# Altium PCB tester_board.PcbDoc (part 2 of 4)
Units mil, origin at the board's own origin, x right, y up, seen from the top; angles counter-clockwise.
Board outline 5000 x 4000 mil, 4 copper layers (Top Layer, Signal Layer 1, Signal Layer 2, Bottom Layer), stack 30.634 mil thick; 418 components, 246 nets, 1388 pads, 667 vias.
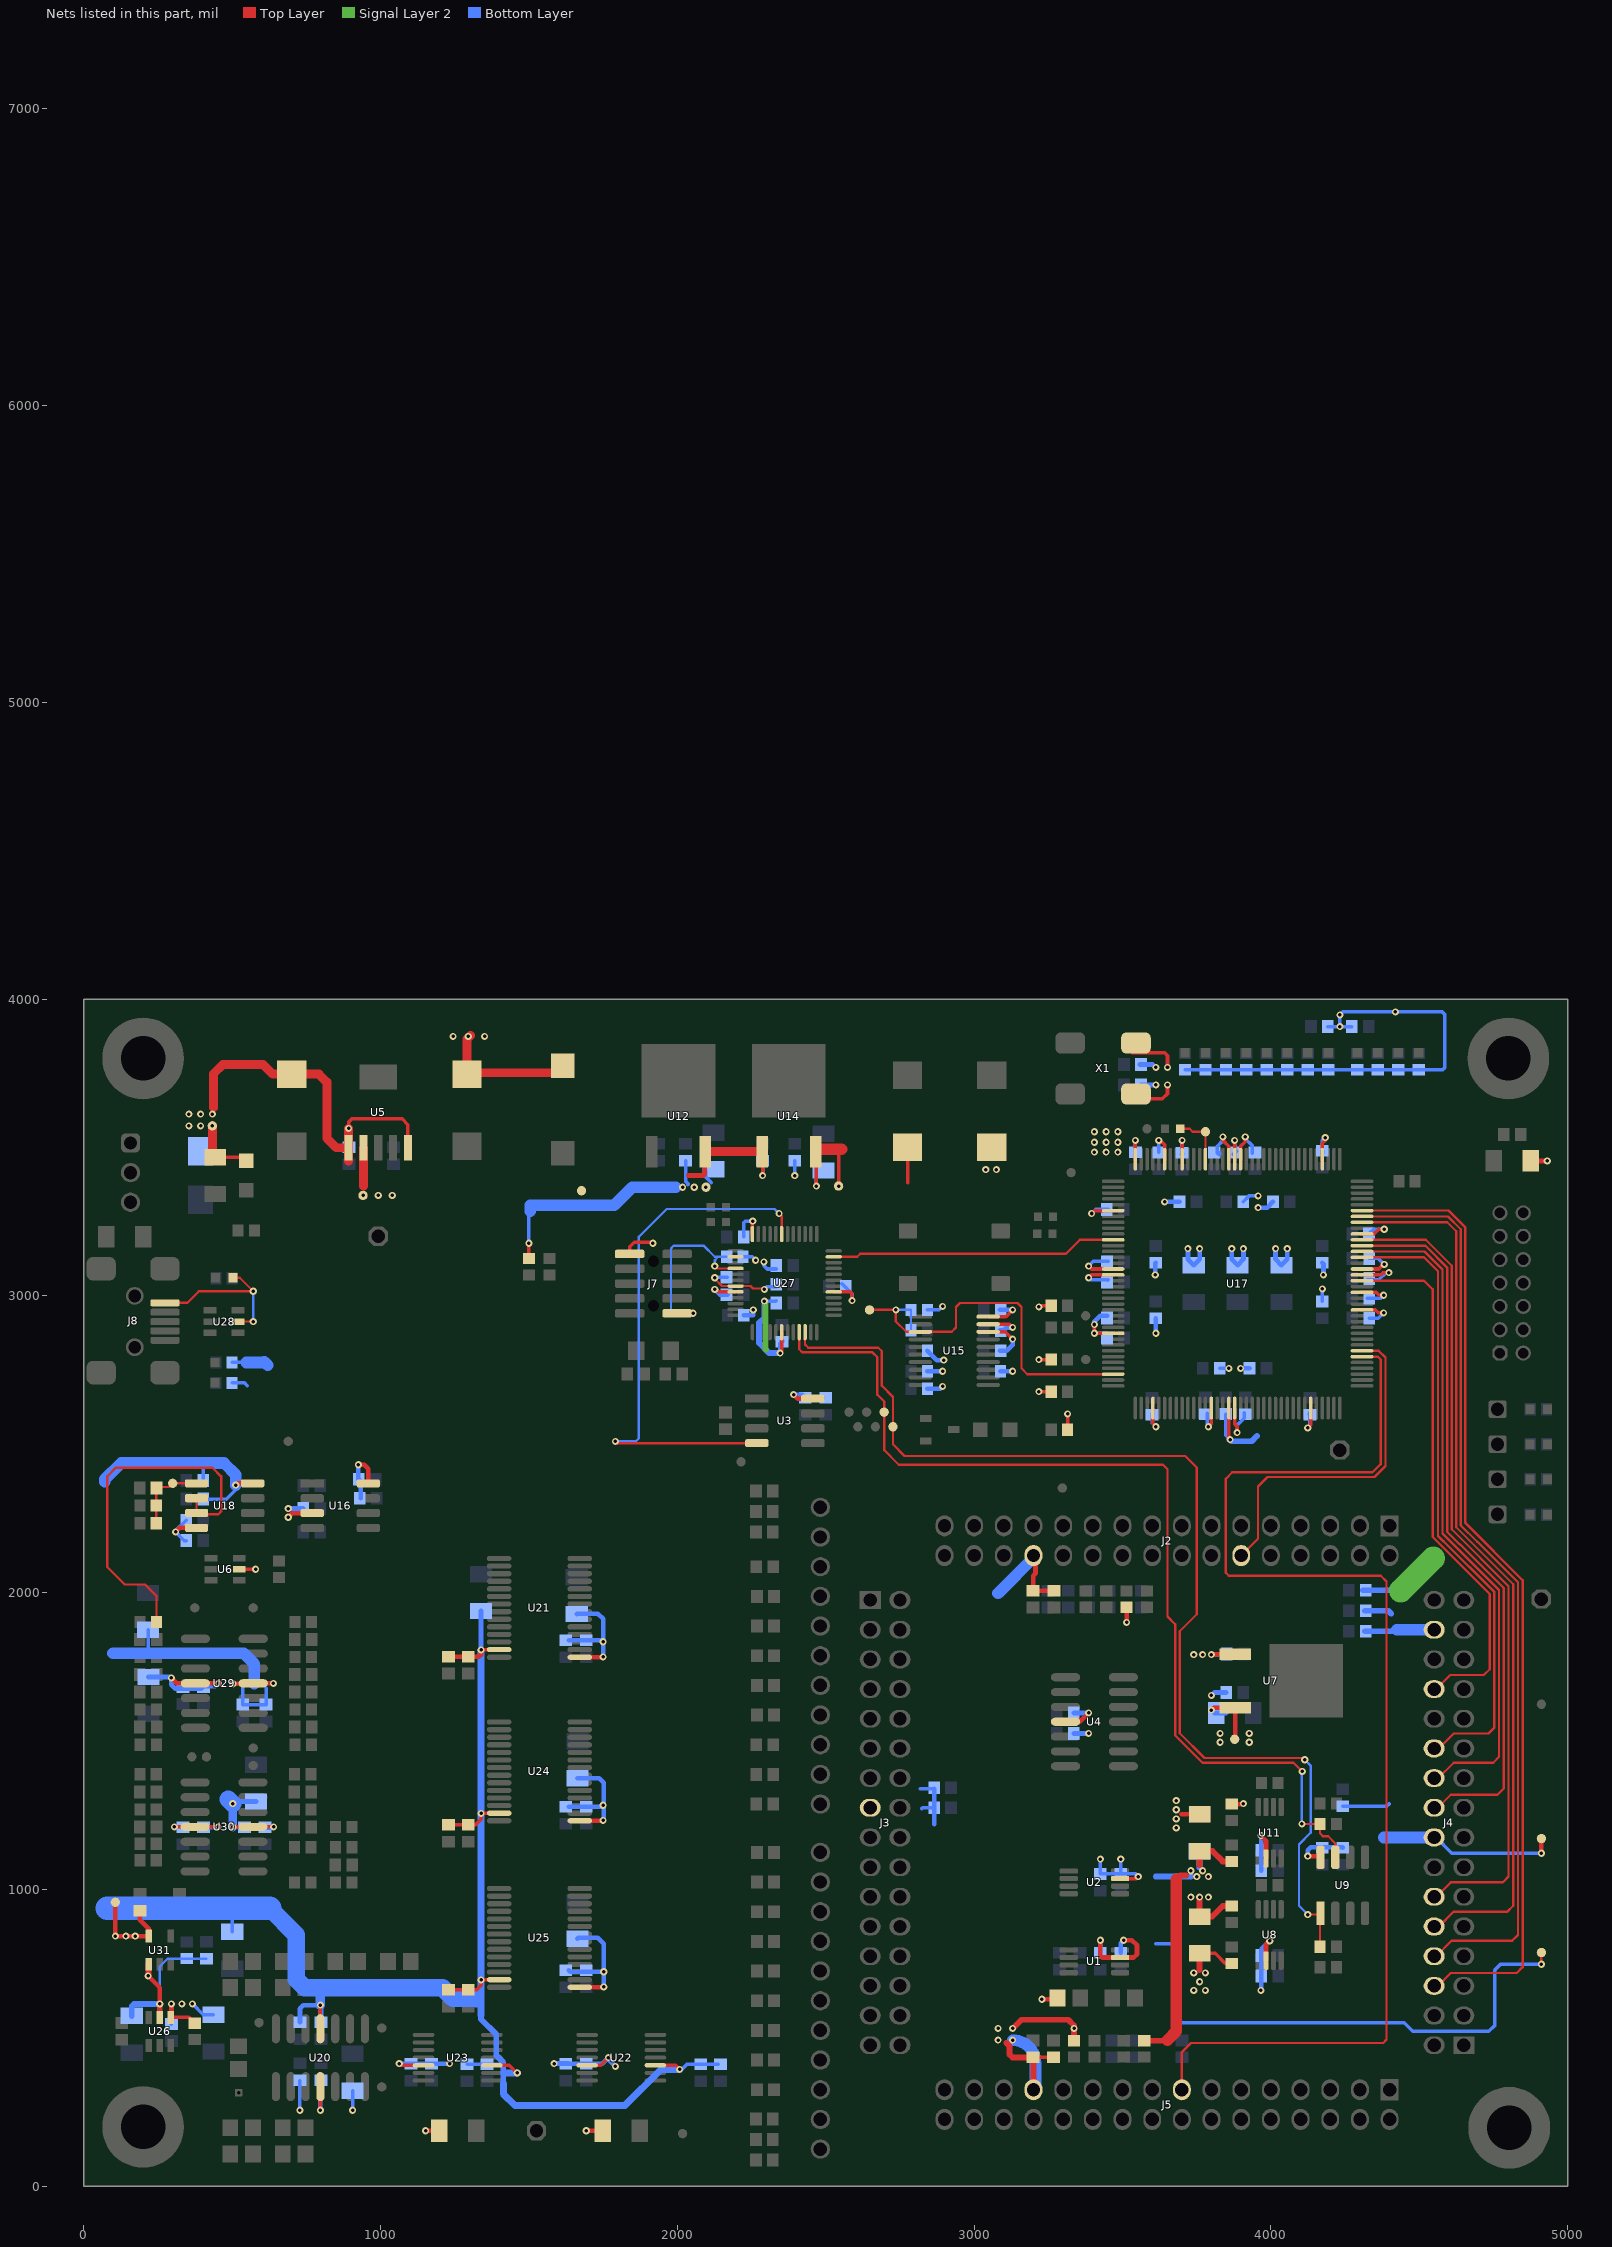
[diagram p4: the nets of this part, all layers, seen from the top]

## Part data (continued)
R8: library part RES/RC0603JR-07510KL, "RES1, SMD,  510k, 1.0%, 1/10W, 0603", Manufacturer=Yageo, Manufacturer Part Number=RC0603JR-07510KL, Operating Temperature="-55°C ~ 155°C", Package / Case="0603 (1608 Metric)", Power (Watts)="0.1W, 1/10W", Supplier Device Package=0603, Supplier Part Number 1=311-510KGRCT-ND, Temperature Coefficient=±100ppm/°C, Tolerance=±5%, Category=Resistors, ComponentLink1Description=http://www.yageo.com/documents/recent/PYu-RC_Group_51_RoHS_L_04.pdf, ComponentLink1URL=http://www.yageo.com/documents/recent/PYu-RC_Group_51_RoHS_L_04.pdf, Composition="Thick Film", Features="Moisture Resistant", Height="0.022\" (0.55mm)", Number of Terminations=2, Packaging="Cut Tape (CT)", Pricing 1="1=0.1, 10=0.011, 25=0.008, 100=0.0044, 250=0.00336, 500=0.0027, 1000=0.00198, 2500=0.00172 (USD)", Resistance (Ohms)=510k, RoHS="RoHS Compliant", Size / Dimension="0.063\" L x 0.031\" W (1.60mm x 0.80mm)", Stock 1=110895, Supplier 1=Digi-Key
R9 R10: library part R4K7_SIP10, "4611X-101-472LF", Manufacturer="Bourns Inc.", Number of Resistors=10, Operating Temperature="-55°C ~ 125°C", Package / Case=11-SIP, Power Per Element=200mW, Supplier Part Number 1=4611X-101-472LF-ND, Temperature Coefficient=±100ppm/°C, Tolerance=±2%, Applications=-, Category=Resistors, Circuit Type=Bussed, ComponentLink1Description=http://www.bourns.com/data/global/pdfs/4600x.pdf, ComponentLink1URL=http://www.bourns.com/data/global/pdfs/4600x.pdf, Height="0.200\" (5.08mm)", Manufacturer Part Number=4611X-101-472LF, Mounting Type="Through Hole", Number of Pins=11, Packaging=Bulk, Pricing 1="1=0.45, 10=0.416, 25=0.3752, 50=0.3626, 100=0.35, 250=0.325, 500=0.3, 1000=0.28125, 2500=0.2375 (USD)", Resistance (Ohms)=4.7k, RoHS="RoHS Compliant", Size / Dimension="1.098\" L x 0.098\" W (27.89mm x 2.49mm)", Stock 1=279, Supplier 1=Digi-Key, Supplier Device Package=11-SIP
R11 R14 R15 R16 R19 R25 R27 R30 R31 R90 R91 R101: library part CRCW060310K0FKEA, "RES1, SMD, 10.0k, 1.0%, 1/10W, 0603", Manufacturer="Vishay Dale", Operating Temperature="-55°C ~ 155°C", Package / Case="0603 (1608 Metric)", Power (Watts)="0.1W, 1/10W", Supplier Device Package=0603, Supplier Part Number 1=541-10.0KHCT-ND, Temperature Coefficient=±100ppm/°C, Tolerance=±1%, Category=Resistors, ComponentLink1Description=http://www.vishay.com/docs/20035/dcrcwe3.pdf, ComponentLink1URL=http://www.vishay.com/docs/20035/dcrcwe3.pdf, Composition="Thick Film", Features="Automotive AEC-Q200", Height="0.020\" (0.50mm)", Manufacturer Part Number=CRCW060310K0FKEA, Number of Terminations=2, Packaging="Cut Tape (CT)", Pricing 1="1=0.1, 10=0.03, 25=0.022, 50=0.0168, 100=0.0123, 250=0.0094, 500=0.00752, 1000=0.00554, 2500=0.00481 (USD)", Resistance (Ohms)=10k, RoHS="RoHS Compliant", Size / Dimension="0.061\" L x 0.033\" W (1.55mm x 0.85mm)", Stock 1=1592879, Supplier 1=Digi-Key
R12: library part CRCW0603390KFKEA, "RES1, SMD,  390k, 1.0%, 1/10W, 0603", Manufacturer="Vishay Dale", Operating Temperature="-55°C ~ 155°C", Package / Case="0603 (1608 Metric)", Power (Watts)="0.1W, 1/10W", Supplier Device Package=0603, Supplier Part Number 1=541-390KHCT-ND, Temperature Coefficient=±100ppm/°C, Tolerance=±1%, Category=Resistors, ComponentLink1Description=http://www.vishay.com/docs/20035/dcrcwe3.pdf, ComponentLink1URL=http://www.vishay.com/docs/20035/dcrcwe3.pdf, Composition="Thick Film", Failure Rate=-, Features="Automotive AEC-Q200", Height - Seated (Max)="0.020\" (0.50mm)", Manufacturer Part Number=CRCW0603390KFKEA, Number of Terminations=2, Packaging="Cut Tape (CT)", Part Status=Active, Pricing 1="1=0.1, 10=0.03, 25=0.022, 50=0.0168, 100=0.0123, 250=0.0094, 500=0.00752, 1000=0.00554, 2500=0.00481 (USD)", Resistance (Ohms)=390k, RoHS="RoHS Compliant", Size / Dimension="0.063\" L x 0.033\" W (1.60mm x 0.85mm)", Stock 1=37100, Supplier 1=Digi-Key
R13: library part CRCW060375K0FKEA, "RES1, SMD, 75.0k, 1.0%, 1/10W, 0603", Manufacturer="Samsung Electro-Mechanics America, Inc", Manufacturer Part Number=RC1608F4751CS, Operating Temperature="-55°C ~ 155°C", Package / Case="0603 (1608 Metric)", Power (Watts)="0.1W, 1/10W", Resistance (Ohms)=4.75k, Supplier Part Number 1=1276-4710-1-ND, Temperature Coefficient=±100ppm/°C, Tolerance=±1%, Category=Resistors, ComponentLink1Description=http://www.samsungsem.com/global/support/library/product-catalog/__icsFiles/afieldfile/2015/01/12/CHIP_RESISTOR_150112_1.pdf, ComponentLink1URL=http://www.samsungsem.com/global/support/library/product-catalog/__icsFiles/afieldfile/2015/01/12/CHIP_RESISTOR_150112_1.pdf, Composition="Thick Film", Features=-, Height="0.022\" (0.55mm)", Number of Terminations=2, Packaging="Cut Tape (CT)", Pricing 1="1=0.1, 10=0.011, 25=0.0084, 100=0.0047, 500=0.00286, 1000=0.0021, 2500=0.00182 (USD)", RoHS="RoHS Compliant", Size / Dimension="0.063\" L x 0.031\" W (1.60mm x 0.80mm)", Stock 1=15535, Supplier 1=Digi-Key, Supplier Device Package="0603 (1608 Metric)"
R21 R22 R75: library part "RES SMD 0.01 OHM 1% 1W 1206", "RES0, SMD, 0.01Z, 1.0%, 1/4W,  1206", Manufacturer="Panasonic Electronic Components", Manufacturer Part Number=ERJ-8BWFR010V, Operating Temperature="-55°C ~ 155°C", Package / Case="1206 (3216 Metric)", Power (Watts)=1W, Resistance (Ohms)=0.01, Supplier Device Package=1206, Supplier Part Number 1=P.010AUCT-ND, Temperature Coefficient=±200ppm/°C, Tolerance=±1%, Category=Resistors, ComponentLink1Description=https://industrial.panasonic.com/cdbs/www-data/pdf/RDA0000/AOA0000C239.pdf, ComponentLink1URL=https://industrial.panasonic.com/cdbs/www-data/pdf/RDA0000/AOA0000C239.pdf, Composition="Thick Film", Failure Rate=-, Features="Automotive AEC-Q200, Current Sense", Height - Seated (Max)="0.030\" (0.75mm)", Number of Terminations=2, Packaging="Cut Tape (CT)", Part Status=Active, Pricing 1="1=0.72, 50=0.464, 100=0.4038, 250=0.36084, 500=0.2921, 1000=0.23625 (USD)", RoHS="RoHS Compliant", Size / Dimension="0.126\" L x 0.063\" W (3.20mm x 1.60mm)", Stock 1=27187, Supplier 1=Digi-Key
R23 R24 R28 R29: library part CRCW0603110RFKEA, "RES0, SMD,  100Z, 1.0%, 1/10W, 0603", Manufacturer="Panasonic Electronic Components", Manufacturer Part Number=ERJ-3EKF1000V, Operating Temperature="-55°C ~ 155°C", Package / Case="0603 (1608 Metric)", Power (Watts)="0.1W, 1/10W", Resistance (Ohms)=100, Supplier Device Package=0603, Supplier Part Number 1=P100HCT-ND, Temperature Coefficient=±100ppm/°C, Tolerance=±1%, Category=Resistors, ComponentLink1Description=http://industrial.panasonic.com/www-cgi/jvcr13pz.cgi?E+PZ+3+AOA0002+ERJ3EKF1000V+7+WW, ComponentLink1URL=http://industrial.panasonic.com/www-cgi/jvcr13pz.cgi?E+PZ+3+AOA0002+ERJ3EKF1000V+7+WW, Composition="Thick Film", Features="Automotive AEC-Q200", Height="0.022\" (0.55mm)", Number of Terminations=2, Packaging="Cut Tape (CT)", Pricing 1="1=0.1, 50=0.015, 100=0.0114, 250=0.00844, 500=0.00624, 1000=0.00416, 2500=0.00351 (USD)", RoHS="RoHS Compliant", Size / Dimension="0.063\" L x 0.031\" W (1.60mm x 0.80mm)", Stock 1=1259466, Supplier 1=Digi-Key
R33 R62 R73: library part CRCW0603330RFKEA, "RES0, SMD,  330Z, 1.0%, 1/10W, 0603", Manufacturer="Rohm Semiconductor", Manufacturer Part Number=MCR03ERTF3300, Operating Temperature="-55°C ~ 155°C", Package / Case="0603 (1608 Metric)", Power (Watts)="0.1W, 1/10W", Resistance (Ohms)=330, Supplier Part Number 1=RHM330CFCT-ND, Temperature Coefficient=±100ppm/°C, Tolerance=±1%, Category=Resistors, ComponentLink1Description=http://rohmfs.rohm.com/en/products/databook/datasheet/passive/resistor/chip_resistor/mcr_g.pdf, ComponentLink1URL=http://rohmfs.rohm.com/en/products/databook/datasheet/passive/resistor/chip_resistor/mcr_g.pdf, Composition="Thick Film", Features=-, Height="0.022\" (0.55mm)", Number of Terminations=2, Packaging="Cut Tape (CT)", Pricing 1="1=0.1, 10=0.011, 25=0.0084, 100=0.0047, 250=0.00356, 500=0.00286, 1000=0.0021 (USD)", RoHS="RoHS Compliant", Size / Dimension="0.063\" L x 0.031\" W (1.60mm x 0.80mm)", Stock 1=139947, Supplier 1=Digi-Key, Supplier Device Package="0603 (1608 Metric)"
R34 R36 R37 R92: library part CRCW06030000Z0EA, "RES0, SMD, 0.00Z, 0603", Manufacturer="Vishay Dale", Operating Temperature="-55°C ~ 155°C", Package / Case="0603 (1608 Metric)", Power (Watts)="0.1W, 1/10W", Resistance (Ohms)=0.0, Supplier Device Package=0603, Supplier Part Number 1=541-0.0GCT-ND, Temperature Coefficient=-, Tolerance=Jumper, Category=Resistors, ComponentLink1Description=http://www.vishay.com/docs/20035/dcrcwe3.pdf, ComponentLink1URL=http://www.vishay.com/docs/20035/dcrcwe3.pdf, Composition="Thick Film", Features="Automotive AEC-Q200", Height="0.020\" (0.50mm)", Manufacturer Part Number=CRCW06030000Z0EA, Number of Terminations=2, Packaging="Cut Tape (CT)", Pricing 1="1=0.1, 10=0.022, 25=0.016, 50=0.0124, 100=0.0091, 250=0.00692, 500=0.00554, 1000=0.00408, 2500=0.00354 (USD)", RoHS="RoHS Compliant", Size / Dimension="0.061\" L x 0.033\" W (1.55mm x 0.85mm)", Stock 1=3403646, Supplier 1=Digi-Key, Supplier 2=Newark, Supplier Part Number 2=52K8014
R35 R38 R63 R64 R65 R66 R69 R74 R88 R89 R100 R106: library part CRCW06034K70FKEA, "RES1, SMD, 4.70k, 1.0%, 1/10W, 0603", Manufacturer="Vishay Dale", Operating Temperature="-55°C ~ 155°C", Package / Case="0603 (1608 Metric)", Power (Watts)="0.1W, 1/10W", Supplier Device Package=0603, Supplier Part Number 1=541-4.70KHCT-ND, Temperature Coefficient=±100ppm/°C, Tolerance=±1%, Category=Resistors, ComponentLink1Description=http://www.vishay.com/docs/20035/dcrcwe3.pdf, ComponentLink1URL=http://www.vishay.com/docs/20035/dcrcwe3.pdf, Composition="Thick Film", Failure Rate=-, Features="Automotive AEC-Q200", Height - Seated (Max)="0.020\" (0.50mm)", Manufacturer Part Number=CRCW06034K70FKEA, Number of Terminations=2, Packaging="Cut Tape (CT)", Part Status=Active, Pricing 1="1=0.1, 10=0.03, 25=0.022, 50=0.0168, 100=0.0123, 250=0.0094, 500=0.00752, 1000=0.00554, 2500=0.00481 (USD)", Resistance (Ohms)=4.7k, RoHS="RoHS Compliant", Size / Dimension="0.063\" L x 0.033\" W (1.60mm x 0.85mm)", Stock 1=413202, Supplier 1=Digi-Key
R39 R40 R53 R54 R76 R77 R78 R79 R80 R81 R82 R83 R84 R85 R86 R87: library part CRCW0603160RFKEA, "RES0, SMD,  160Z, 1.0%, 1/10W, 0603", Manufacturer="Vishay Dale", Operating Temperature="-55°C ~ 155°C", Package / Case="0603 (1608 Metric)", Power (Watts)="0.1W, 1/10W", Resistance (Ohms)=160, Supplier Device Package=0603, Supplier Part Number 1=541-160HCT-ND, Temperature Coefficient=±100ppm/°C, Tolerance=±1%, Category=Resistors, ComponentLink1Description=http://www.vishay.com/docs/20035/dcrcwe3.pdf, ComponentLink1URL=http://www.vishay.com/docs/20035/dcrcwe3.pdf, Composition="Thick Film", Failure Rate=-, Features="Automotive AEC-Q200", Height - Seated (Max)="0.020\" (0.50mm)", Manufacturer Part Number=CRCW0603160RFKEA, Number of Terminations=2, Packaging="Cut Tape (CT)", Part Status=Active, Pricing 1="1=0.1, 10=0.03, 25=0.022, 50=0.0168, 100=0.0123, 250=0.0094, 500=0.00752, 1000=0.00554, 2500=0.00481 (USD)", RoHS="RoHS Compliant", Size / Dimension="0.063\" L x 0.033\" W (1.60mm x 0.85mm)", Stock 1=48671, Supplier 1=Digi-Key
R55: library part CRCW08050000Z0EA, "RES0, SMD, 0.00Z, 0805", Manufacturer="Vishay Dale", Operating Temperature="-55°C ~ 155°C", Package / Case="0805 (2012 Metric)", Power (Watts)="0.125W, 1/8W", Resistance (Ohms)=0.0, Supplier Device Package=0805, Supplier Part Number 1=541-0.0ACT-ND, Temperature Coefficient=-, Tolerance=Jumper, Category=Resistors, ComponentLink1Description=http://www.vishay.com/docs/20035/dcrcwe3.pdf, ComponentLink1URL=http://www.vishay.com/docs/20035/dcrcwe3.pdf, Composition="Thick Film", Failure Rate=-, Features="Automotive AEC-Q200", Height - Seated (Max)="0.020\" (0.50mm)", Manufacturer Part Number=CRCW08050000Z0EA, Number of Terminations=2, Packaging="Cut Tape (CT)", Part Status=Active, Pricing 1="1=0.1, 10=0.026, 25=0.0184, 50=0.014, 100=0.0104, 250=0.00792, 500=0.00634, 1000=0.00466, 2500=0.00405 (USD)", RoHS="RoHS Compliant", Size / Dimension="0.079\" L x 0.049\" W (2.00mm x 1.25mm)", Stock 1=1159983, Supplier 1=Digi-Key
R56 R95: library part RC0805FR-0714KL, "RES1, SMD, 14.0k, 1.0%, 1/8W, 0805", Manufacturer=Yageo, Operating Temperature="-55°C ~ 155°C", Package / Case="0805 (2012 Metric)", Power (Watts)="0.125W, 1/8W", Supplier Device Package=0805, Supplier Part Number 1=311-14.0KCRCT-ND, Temperature Coefficient=±100ppm/°C, Tolerance=±1%, Category=Resistors, ComponentLink1Description=http://www.yageo.com/NewPortal/yageodocoutput?fileName=/pdf/R-Chip/PYu-RC_Group_51_RoHS_L_4.pdf, ComponentLink1URL=http://www.yageo.com/NewPortal/yageodocoutput?fileName=/pdf/R-Chip/PYu-RC_Group_51_RoHS_L_4.pdf, Composition="Thick Film", Failure Rate=-, Features="Moisture Resistant", Height - Seated (Max)="0.024\" (0.60mm)", Manufacturer Part Number=RC0805FR-0714KL, Number of Terminations=2, Packaging="Cut Tape (CT)", Part Status=Active, Pricing 1="1=0.1, 10=0.021, 25=0.0152, 100=0.0084, 250=0.00644, 500=0.00514, 1000=0.00379, 2500=0.00329 (USD)", Resistance (Ohms)=14k, RoHS="RoHS Compliant", Size / Dimension="0.079\" L x 0.049\" W (2.00mm x 1.25mm)", Stock 1=169694, Supplier 1=Digi-Key
R57: library part ERJ-6ENF91R0V, "RES0, SMD, 91Z, 1.0%, 1/8W, 0805", Manufacturer="Panasonic Electronic Components", Operating Temperature="-55°C ~ 155°C", Package / Case="0805 (2012 Metric)", Power (Watts)="0.125W, 1/8W", Resistance (Ohms)=91, Supplier Device Package=0805, Supplier Part Number 1=P91.0CCT-ND, Temperature Coefficient=±100ppm/°C, Tolerance=±1%, Category=Resistors, ComponentLink1Description=http://industrial.panasonic.com/www-cgi/jvcr13pz.cgi?E+PZ+3+AOA0002+ERJ6ENF91R0V+7+WW, ComponentLink1URL=http://industrial.panasonic.com/www-cgi/jvcr13pz.cgi?E+PZ+3+AOA0002+ERJ6ENF91R0V+7+WW, Composition="Thick Film", Failure Rate=-, Features="Automotive AEC-Q200", Height - Seated (Max)="0.028\" (0.70mm)", Manufacturer Part Number=ERJ-6ENF91R0V, Number of Terminations=2, Packaging="Cut Tape (CT)", Part Status=Active, Pricing 1="1=0.1, 50=0.022, 100=0.0162, 250=0.01236, 500=0.0099, 1000=0.00729 (USD)", RoHS="RoHS Compliant", Size / Dimension="0.079\" L x 0.049\" W (2.00mm x 1.25mm)", Stock 1=64099, Supplier 1=Digi-Key
R58 R97: library part RC0805FR-077K5L, "RES1, SMD, 7.5k, 1.0%, 1/8W, 0805", Manufacturer=Yageo, Operating Temperature="-55°C ~ 155°C", Package / Case="0805 (2012 Metric)", Power (Watts)="0.125W, 1/8W", Supplier Device Package=0805, Supplier Part Number 1=311-7.50KCRCT-ND, Temperature Coefficient=±100ppm/°C, Tolerance=±1%, Category=Resistors, ComponentLink1Description=http://www.yageo.com/NewPortal/yageodocoutput?fileName=/pdf/R-Chip/PYu-RC_Group_51_RoHS_L_4.pdf, ComponentLink1URL=http://www.yageo.com/NewPortal/yageodocoutput?fileName=/pdf/R-Chip/PYu-RC_Group_51_RoHS_L_4.pdf, Composition="Thick Film", Failure Rate=-, Features="Moisture Resistant", Height - Seated (Max)="0.024\" (0.60mm)", Manufacturer Part Number=RC0805FR-077K5L, Number of Terminations=2, Packaging="Cut Tape (CT)", Part Status=Active, Pricing 1="1=0.1, 10=0.021, 25=0.0152, 100=0.0084, 250=0.00644, 500=0.00514, 1000=0.00379, 2500=0.00329 (USD)", Resistance (Ohms)=7.5k, RoHS="RoHS Compliant", Size / Dimension="0.079\" L x 0.049\" W (2.00mm x 1.25mm)", Stock 1=186916, Supplier 1=Digi-Key
R59: library part RC0805FR-07909RL, "RES0, SMD, 6.8k, 1.0%, 1/8W, 0805", Manufacturer=Yageo, Operating Temperature="-55°C ~ 155°C", Package / Case="0805 (2012 Metric)", Power (Watts)="0.125W, 1/8W", Resistance (Ohms)=909, Supplier Device Package=0805, Supplier Part Number 1=311-909CRCT-ND, Temperature Coefficient=±100ppm/°C, Tolerance=±1%, Category=Resistors, ComponentLink1Description=http://www.yageo.com/NewPortal/yageodocoutput?fileName=/pdf/R-Chip/PYu-RC_Group_51_RoHS_L_4.pdf, ComponentLink1URL=http://www.yageo.com/NewPortal/yageodocoutput?fileName=/pdf/R-Chip/PYu-RC_Group_51_RoHS_L_4.pdf, Composition="Thick Film", Failure Rate=-, Features="Moisture Resistant", Height - Seated (Max)="0.024\" (0.60mm)", Manufacturer Part Number=RC0805FR-07909RL, Number of Terminations=2, Packaging="Cut Tape (CT)", Part Status=Active, Pricing 1="1=0.1, 10=0.021, 25=0.0152, 100=0.0084, 250=0.00644, 500=0.00514, 1000=0.00379, 2500=0.00329 (USD)", RoHS="RoHS Compliant", Size / Dimension="0.079\" L x 0.049\" W (2.00mm x 1.25mm)", Stock 1=53236, Supplier 1=Digi-Key
R60 R99: library part RC0805FR-076K8L, "RES1, SMD, 6.8k, 1.0%, 1/8W, 0805", Manufacturer=Yageo, Operating Temperature="-55°C ~ 155°C", Package / Case="0805 (2012 Metric)", Power (Watts)="0.125W, 1/8W", Supplier Device Package=0805, Supplier Part Number 1=311-6.80KCRCT-ND, Temperature Coefficient=±100ppm/°C, Tolerance=±1%, Category=Resistors, ComponentLink1Description=http://www.yageo.com/NewPortal/yageodocoutput?fileName=/pdf/R-Chip/PYu-RC_Group_51_RoHS_L_4.pdf, ComponentLink1URL=http://www.yageo.com/NewPortal/yageodocoutput?fileName=/pdf/R-Chip/PYu-RC_Group_51_RoHS_L_4.pdf, Composition="Thick Film", Failure Rate=-, Features="Moisture Resistant", Height - Seated (Max)="0.024\" (0.60mm)", Manufacturer Part Number=RC0805FR-076K8L, Number of Terminations=2, Packaging="Cut Tape (CT)", Part Status=Active, Pricing 1="1=0.1, 10=0.021, 25=0.0152, 100=0.0084, 250=0.00644, 500=0.00514, 1000=0.00379, 2500=0.00329 (USD)", Resistance (Ohms)=6.8k, RoHS="RoHS Compliant", Size / Dimension="0.079\" L x 0.049\" W (2.00mm x 1.25mm)", Stock 1=249753, Supplier 1=Digi-Key
R71 R72 R102 R103 R104: library part "RES/ 311-22.0LRCT-ND", "RES0, SMD, 22.0Z, 1.0%, 1/16W, 0402", Manufacturer=Yageo, Manufacturer Part Number=RC0402FR-0722RL, Operating Temperature="-55°C ~ 155°C", Package / Case="0402 (1005 Metric)", Power (Watts)="0.063W, 1/16W", Resistance (Ohms)=22, Supplier Device Package=0402, Supplier Part Number 1=311-22.0LRCT-ND, Temperature Coefficient=±100ppm/°C, Tolerance=±1%, Category=Resistors, ComponentLink1Description=http://www.yageo.com/documents/recent/PYu-RC_Group_51_RoHS_L_04.pdf, ComponentLink1URL=http://www.yageo.com/documents/recent/PYu-RC_Group_51_RoHS_L_04.pdf, Composition="Thick Film", Features="Moisture Resistant", Height="0.016\" (0.40mm)", Number of Terminations=2, Packaging="Cut Tape (CT)", Pricing 1="1=0.1, 10=0.013, 25=0.0096, 100=0.0054, 250=0.00412, 500=0.00328, 1000=0.00242, 2500=0.0021, 5000=0.00173 (USD)", RoHS="RoHS Compliant", Size / Dimension="0.039\" L x 0.020\" W (1.00mm x 0.50mm)", Stock 1=1724839, Supplier 1=Digi-Key, Supplier 2=Newark, Supplier Part Number 2=67R9912
R93: library part CRCW08054K70FKEA, "RES1, SMD, 4.70k, 1.0%, 1/10W, 0805", Manufacturer="Vishay Dale", Operating Temperature="-55°C ~ 155°C", Package / Case="0805 (2012 Metric)", Power (Watts)="0.125W, 1/8W", Supplier Device Package=0805, Supplier Part Number 1=541-4.70KCCT-ND, Temperature Coefficient=±100ppm/°C, Tolerance=±1%, Category=Resistors, ComponentLink1Description=http://www.vishay.com/docs/20035/dcrcwe3.pdf, ComponentLink1URL=http://www.vishay.com/docs/20035/dcrcwe3.pdf, Composition="Thick Film", Failure Rate=-, Features="Automotive AEC-Q200", Height - Seated (Max)="0.020\" (0.50mm)", Manufacturer Part Number=CRCW08054K70FKEA, Number of Terminations=2, Packaging="Cut Tape (CT)", Part Status=Active, Pricing 1="1=0.1, 10=0.04, 25=0.0288, 50=0.022, 100=0.0162, 250=0.01236, 500=0.0099, 1000=0.00729, 2500=0.00632 (USD)", Resistance (Ohms)=4.7k, RoHS="RoHS Compliant", Size / Dimension="0.079\" L x 0.049\" W (2.00mm x 1.25mm)", Stock 1=53264, Supplier 1=Digi-Key
R94: library part RC0805FR-073K48L, "RES1, SMD, 3.48k, 1.0%, 1/10W, 0805", Manufacturer=Yageo, Operating Temperature="-55°C ~ 155°C", Package / Case="0805 (2012 Metric)", Power (Watts)="0.125W, 1/8W", Supplier Device Package=0805, Supplier Part Number 1=311-3.48KCRCT-ND, Temperature Coefficient=±100ppm/°C, Tolerance=±1%, Category=Resistors, ComponentLink1Description=http://www.yageo.com/NewPortal/yageodocoutput?fileName=/pdf/R-Chip/PYu-RC_Group_51_RoHS_L_4.pdf, ComponentLink1URL=http://www.yageo.com/NewPortal/yageodocoutput?fileName=/pdf/R-Chip/PYu-RC_Group_51_RoHS_L_4.pdf, Composition="Thick Film", Failure Rate=-, Features="Moisture Resistant", Height - Seated (Max)="0.024\" (0.60mm)", Manufacturer Part Number=RC0805FR-073K48L, Number of Terminations=2, Packaging="Cut Tape (CT)", Part Status=Active, Pricing 1="1=0.1, 10=0.021, 25=0.0152, 100=0.0084, 250=0.00644, 500=0.00514, 1000=0.00379, 2500=0.00329 (USD)", Resistance (Ohms)=3.48k, RoHS="RoHS Compliant", Size / Dimension="0.079\" L x 0.049\" W (2.00mm x 1.25mm)", Stock 1=122027, Supplier 1=Digi-Key
R96: library part RC0805FR-0710KL, "RES1, SMD, 10.0k, 1.0%, 1/8W, 0805", Manufacturer=Yageo, Operating Temperature="-55°C ~ 155°C", Package / Case="0805 (2012 Metric)", Power (Watts)="0.125W, 1/8W", Supplier Device Package=0805, Supplier Part Number 1=311-10.0KCRCT-ND, Temperature Coefficient=±100ppm/°C, Tolerance=±1%, Category=Resistors, ComponentLink1Description=http://www.yageo.com/NewPortal/yageodocoutput?fileName=/pdf/R-Chip/PYu-RC_Group_51_RoHS_L_4.pdf, ComponentLink1URL=http://www.yageo.com/NewPortal/yageodocoutput?fileName=/pdf/R-Chip/PYu-RC_Group_51_RoHS_L_4.pdf, Composition="Thick Film", Failure Rate=-, Features="Moisture Resistant", Height - Seated (Max)="0.024\" (0.60mm)", Manufacturer Part Number=RC0805FR-0710KL, Number of Terminations=2, Packaging="Cut Tape (CT)", Part Status=Active, Pricing 1="1=0.1, 10=0.021, 25=0.0152, 100=0.0084, 250=0.00644, 500=0.00514, 1000=0.00379, 2500=0.00329 (USD)", Resistance (Ohms)=10k, RoHS="RoHS Compliant", Size / Dimension="0.079\" L x 0.049\" W (2.00mm x 1.25mm)", Stock 1=9171495, Supplier 1=Digi-Key
R98: library part RC0805FR-0712KL, "RES1, SMD, 12.0k, 1.0%, 1/8W, 0805", Manufacturer=Yageo, Operating Temperature="-55°C ~ 155°C", Package / Case="0805 (2012 Metric)", Power (Watts)="0.125W, 1/8W", Supplier Device Package=0805, Supplier Part Number 1=311-12.0KCRCT-ND, Temperature Coefficient=±100ppm/°C, Tolerance=±1%, Category=Resistors, ComponentLink1Description=http://www.yageo.com/NewPortal/yageodocoutput?fileName=/pdf/R-Chip/PYu-RC_Group_51_RoHS_L_4.pdf, ComponentLink1URL=http://www.yageo.com/NewPortal/yageodocoutput?fileName=/pdf/R-Chip/PYu-RC_Group_51_RoHS_L_4.pdf, Composition="Thick Film", Failure Rate=-, Features="Moisture Resistant", Height - Seated (Max)="0.024\" (0.60mm)", Manufacturer Part Number=RC0805FR-0712KL, Number of Terminations=2, Packaging="Cut Tape (CT)", Part Status=Active, Pricing 1="1=0.1, 10=0.021, 25=0.0152, 100=0.0084, 250=0.00644, 500=0.00514, 1000=0.00379, 2500=0.00329 (USD)", Resistance (Ohms)=12k, RoHS="RoHS Compliant", Size / Dimension="0.079\" L x 0.049\" W (2.00mm x 1.25mm)", Stock 1=293503, Supplier 1=Digi-Key
S2: library part "C&K/PTS645SM43SMTR92 LFS", "Button, Switch SPST-NO, PCB", Contact Rating @ Voltage="0.05A @ 12VDC", Illumination Type, Color=-, Manufacturer="C&K Components", Operating Force=160gf, Operating Temperature="-20°C ~ 60°C", Supplier Part Number 1=CKN9112CT-ND, Actuator Height off PCB, from Pins=4.30mm, Actuator Material="Polyamide (PA66), Nylon 6/6", Actuator Orientation="Top Actuated", Actuator Type=Standard, Category=Switches, Circuit=SPST-NO, ComponentLink1Description=http://media.digikey.com/pdf/Data%20Sheets/C&K/PTS645_Series.pdf, ComponentLink1URL=http://media.digikey.com/pdf/Data%20Sheets/C&K/PTS645_Series.pdf, Features="Blue Actuator", Illumination=Non-Illuminated, Illumination Voltage (Nominal)=-, Ingress Protection=-, Manufacturer Part Number="PTS645SM43SMTR92 LFS", Mechanical Life="100,000 Cycles", Mounting Type="Surface Mount", Outline="6.00mm x 6.00mm", Packaging="Cut Tape (CT)", Part Status=Active, Pricing 1="1=0.17, 10=0.161, 25=0.156, 50=0.1502, 100=0.1419, 250=0.1336, 500=0.12802 (USD)", RoHS="RoHS Compliant", Stock 1=434807, Supplier 1=Digi-Key, Switch Function=Off-Mom, Switch Travel=-, Termination Style="Gull Wing"
S3 S4 S5 S6: "Mounting Hole #4"
TCK1 TDI1 TDO1 TMS1: "Test Point, Generic, 100MIL"
TP1 TP2 TP3 TP4 TP5 TP6 TP7 TP8 TP9 TP10 TP11 TP12 TP13 TP15 TP16 TP17 TP18 TP19 TP20 TP21 TP22 TP23 TP24 TP25 TP26 TP27 TP28 TP29 TP30 TP31 TP32 TP33 TP34 TP35 TP36 TP37: library part TP_MICRO, "Test Point, Round, Small"
TP38: "Test Point, Generic, 50MIL"
TPG1 TPG2 TPG3 TPG4: "Test Point, GND, Through Hole"
U1 U2: library part "AD/AD8655 MSOP-8", "OPA, 28MHz, 11V/ us", Current - Input Bias=1pA, Current - Output / Channel=220mA, Current - Supply=3.7mA, Manufacturer="ANALOG DEVICES", Manufacturer Part Number=AD8655ARMZ, Operating Temperature="-40°C ~ 125°C", Package / Case="8-SOIC (0.154\", 3.90mm Width)", Supplier Device Package=8-SOIC, Supplier Part Number 1=AD8655ARMZ-REELCT-ND, Voltage - Input Offset=50µV, Voltage - Supply, Single/Dual (±)="2.7 V ~ 5.5 V", -3db Bandwidth=-, Amplifier Type="General Purpose", Category="Integrated Circuits (ICs)", ComponentLink1Description=http://www.farnell.com/cad/1659554.zip, ComponentLink1URL=http://www.farnell.com/cad/1659554.zip, ComponentLink2Description=http://www.farnell.com/simulation/1738389.zip, ComponentLink2URL=http://www.farnell.com/simulation/1738389.zip, ComponentLink3Description=http://www.farnell.com/datasheets/1790136.pdf, ComponentLink3URL=http://www.farnell.com/datasheets/1790136.pdf, ComponentLink4Description=http://www.analog.com/static/imported-files/data_sheets/AD8655_8656.pdf, ComponentLink4URL=http://www.analog.com/static/imported-files/data_sheets/AD8655_8656.pdf, ComponentLink5Description=http://www.analog.com/media/en/technical-documentation/data-sheets/AD8655_8656.pdf, ComponentLink5URL=http://www.analog.com/media/en/technical-documentation/data-sheets/AD8655_8656.pdf, Gain Bandwidth Product=28MHz, Mounting Type="Surface Mount", Number of Circuits=1, Output Type=Rail-to-Rail, Packaging="Cut Tape (CT)", Part Status=Active, Pricing 1="1=2.28, 10=2.05, 100=1.6441, 500=1.35136, 1000=1.11862 (USD)", RoHS=YES, Slew Rate="11 V/µs", Stock 1=7774, Supplier 1=Digi-Key
U3 U16: library part "AD/AD5551 SOIC-8", "DAC, 14-BIT, 1MSPS", Manufacturer="Analog Devices Inc.", Manufacturer Part Number=AD5551BRZ, Operating Temperature="-40°C ~ 85°C", Package / Case="8-SOIC (0.154\", 3.90mm Width)", Supplier Device Package=8-SOIC, Supplier Part Number 1=AD5551BRZ-ND, Voltage - Supply, Analog="2.7 V ~ 5.5 V", Architecture=R-2R, Category="Integrated Circuits (ICs)", ComponentLink1Description=http://www.analog.com/media/en/technical-documentation/data-sheets/AD5551_5552.pdf, ComponentLink1URL=http://www.analog.com/media/en/technical-documentation/data-sheets/AD5551_5552.pdf, Data Interface=SPI, Differential Output=No, INL/DNL (LSB)="±0.15, ±0.15", Number of Bits=14, Number of D/A Converters=1, Output Type="Voltage - Unbuffered", Packaging=Tube, Part Status=Active, Pricing 1="1=16.85, 10=15.487, 100=13.0795, 500=11.63516, 1000=10.67225, 2500=10.27104, 5000=9.95007 (USD)", Reference Type=External, RoHS="RoHS Compliant", Settling Time="1µs (Typ)", Stock 1=625, Supplier 1=Digi-Key, Voltage - Supply, Digital="2.7 V ~ 5.5 V"
U4: library part "TI/LM6154 SOIC-14", "OPA, 75MHz, Quad, RRIO", Current - Input Bias=500nA, Current - Output / Channel=16.9mA, Current - Supply=1.6mA, Manufacturer="Texas Instruments", Manufacturer Part Number=LM6154BCM/NOPB, Operating Temperature="0°C ~ 70°C", Package / Case="14-SOIC (0.154\", 3.90mm Width)", Supplier Device Package=14-SOICN, Supplier Part Number 1=LM6154BCM/NOPB-ND, Voltage - Input Offset=300µV, Voltage - Supply, Single/Dual (±)="2.7 V ~ 24 V, ±1.35 V ~ 12 V", -3db Bandwidth=-, Amplifier Type="General Purpose", Category="Integrated Circuits (ICs)", ComponentLink1Description=http://www.ti.com/lit/ds/symlink/lm6152.pdf, ComponentLink1URL=http://www.ti.com/lit/ds/symlink/lm6152.pdf, Gain Bandwidth Product=80MHz, Mounting Type="Surface Mount", Number of Circuits=4, Output Type=Rail-to-Rail, Packaging=Tube, Pricing 1="1=7.18, 10=6.458, 50=5.8836, 100=5.3095, 250=4.879, 500=4.4485, 750=4.10411, 1000=3.8745 (USD)", RoHS="RoHS Compliant", Slew Rate="30 V/µs", Stock 1=869, Supplier 1=Digi-Key
U5: library part "TI/REG104 5V0 SOT223-6", "LDO, 5.0V Fixed, 1A, DMOS", Current - Limit (Min)=1.2A, Current - Output=1A, Manufacturer="Texas Instruments", Manufacturer Part Number=REG104GA-5/2K5, Operating Temperature="-40°C ~ 85°C", Package / Case=SOT-223-6, Supplier Part Number 1=REG104GA-5CT-ND, Voltage - Dropout (Typical)="0.32V @ 1A", Voltage - Input="Up to 15V", Voltage - Output=5V, Category="Integrated Circuits (ICs)", ComponentLink1Description=http://www.ti.com/lit/ds/symlink/reg104.pdf, ComponentLink1URL=http://www.ti.com/lit/ds/symlink/reg104.pdf, Mounting Type="Surface Mount", Number of Regulators=1, Packaging="Cut Tape (CT)", Pricing 1="1=5.41, 10=4.851, 100=3.9798, 500=3.3858, 1000=2.8512 (USD)", Regulator Topology="Positive Fixed", RoHS="RoHS Compliant", Stock 1=30, Supplier 1=Digi-Key, Supplier Device Package=SOT-223-6
U6: library part "ADG719 SOT23-6", "SWITCH, SPDT, 2:1, 4 Ohm", Channel Capacitance (CS(off), CD(off))=7pF, Current - Leakage (IS(off)) (Max)=250pA, Manufacturer="Analog Devices Inc.", Manufacturer Part Number=ADG719BRTZ-500RL7, On-State Resistance (Max)="4 Ohm", Operating Temperature="-40°C ~ 125°C (TA)", Package / Case=SOT-23-6, Supplier Part Number 1=ADG719BRTZ-500RL7CT-ND, Voltage - Supply, Dual (V±)=-, Voltage - Supply, Single (V+)="1.8 V ~ 5.5 V", -3db Bandwidth=200MHz, Category="Integrated Circuits (ICs)", Channel-to-Channel Matching (&Delta;Ron)=-, Charge Injection=-, ComponentLink1Description=http://www.analog.com/media/en/technical-documentation/data-sheets/ADG719.pdf, ComponentLink1URL=http://www.analog.com/media/en/technical-documentation/data-sheets/ADG719.pdf, Crosstalk="-82dB @ 1MHz", Multiplexer/Demultiplexer Circuit=2:1, Number of Circuits=1, Packaging="Cut Tape (CT)", Part Status=Active, Pricing 1="1=2.95, 10=2.648, 100=2.1281 (USD)", RoHS="RoHS Compliant", Stock 1=984, Supplier 1=Digi-Key, Supplier Device Package=SOT-23-6, Switch Circuit=SPDT, Switch Time (Ton, Toff) (Max)="7ns, 3ns (Typ)"
U7 U12: library part Diodes/AP7363-33D-13, "LDO, 3.3V, 1.5A, 190mV Dropout, Ceramic Stable, +5.5VMAX Input", Supplier Part Number 1=AP7363-33D-13CT-ND, Supplier 1=Digi-Key
U8 U11: library part LT/LT6105CMS8#PBF, "OPA, Current Sense, 100 kHz, Extended Input Range", Current - Input Bias=-, Current - Output / Channel=1mA, Current - Supply=240µA, Manufacturer="Linear Technology", Manufacturer Part Number=LT6105CMS8#PBF, Operating Temperature="0°C ~ 70°C", Package / Case="8-TSSOP, 8-MSOP (0.118\", 3.00mm Width)", Supplier Device Package=8-MSOP, Supplier Part Number 1=LT6105CMS8#PBF-ND, Voltage - Input Offset=100µV, Voltage - Supply, Single/Dual (±)="2.85 V ~ 36 V, ±1.425 V ~ 18 V", -3db Bandwidth=100kHz, Amplifier Type="Current Sense", Category="Integrated Circuits (ICs)", ComponentLink1Description=http://www.linear.com/docs/25764, ComponentLink1URL=http://www.linear.com/docs/25764, Gain Bandwidth Product=-, Mounting Type="Surface Mount", Number of Circuits=1, Output Type=-, Packaging=Tube, Pricing 1="1=2.11, 25=1.4012, 100=1.15 (USD)", RoHS="RoHS Compliant", Slew Rate="2 V/µs", Stock 1=2594, Supplier 1=Digi-Key, Supplier 2=Newark, Supplier Part Number 2=75M4760
U9: library part "TI/LM6152 SOIC-8", "OPA- 75MHz, Dual, RRIO, Single-supply", Current - Input Bias=500nA, Current - Output / Channel=16.9mA, Current - Supply=1.6mA, Manufacturer="Texas Instruments", Manufacturer Part Number=LM6152BCMX/NOPB, Operating Temperature="0°C ~ 70°C", Package / Case="8-SOIC (0.154\", 3.90mm Width)", Supplier Device Package=8-SOIC, Supplier Part Number 1=296-35423-1-ND, Voltage - Input Offset=300µV, Voltage - Supply, Single/Dual (±)="2.7 V ~ 24 V, ±1.35 V ~ 12 V", -3db Bandwidth=-, Amplifier Type="General Purpose", Category="Integrated Circuits (ICs)", ComponentLink1Description=http://www.ti.com/lit/ds/symlink/lm6152.pdf, ComponentLink1URL=http://www.ti.com/lit/ds/symlink/lm6152.pdf, Gain Bandwidth Product=80MHz, Mounting Type="Surface Mount", Number of Circuits=2, Output Type=Rail-to-Rail, Packaging="Cut Tape (CT)", Part Status=Active, Pricing 1="1=3.66, 10=3.285, 100=2.6954, 500=2.29312, 1000=1.67625 (USD)", RoHS="RoHS Compliant", Slew Rate="30 V/µs", Stock 1=6943, Supplier 1=Digi-Key
U14: library part Diodes/AP7363-12D-13, "LDO, 1.2V, 1.5A, 190mV Dropout, Ceramic Stable, +5.5VMAX Input", Current - Limit (Min)=-, Current - Output=1.5A, Manufacturer="Diodes Incorporated", Operating Temperature="-40°C ~ 85°C", Package / Case="TO-252-3, DPak (2 Leads + Tab), SC-63", Supplier Device Package=TO-252-3, Supplier Part Number 1=AP7363-12D-13CT-ND, Voltage - Input="2.2 V ~ 5.5 V", Voltage - Output=1.2V, Category="Integrated Circuits (ICs)", ComponentLink1Description=http://www.diodes.com/_files/datasheets/AP7363.pdf, ComponentLink1URL=http://www.diodes.com/_files/datasheets/AP7363.pdf, Manufacturer Part Number=AP7363-12D-13, Mounting Type="Surface Mount", Number of Regulators=1, Packaging="Cut Tape (CT)", Part Status=Active, Pricing 1="1=0.56, 10=0.484, 100=0.3613, 500=0.28376, 1000=0.21875 (USD)", Regulator Topology="Positive Fixed", RoHS="RoHS Compliant", Stock 1=5601, Supplier 1=Digi-Key, Voltage - Dropout (Typical)=-
U15: library part "XCF04SVOG20C TSSOP-20", "PROM, 4M GATE, Platform Flash", Manufacturer="Xilinx Inc.", Operating Temperature="-40°C ~ 85°C", Package / Case="20-TSSOP (0.173\", 4.40mm Width)", Supplier Device Package=20-TSSOP, Supplier Part Number 1=122-1288-5-ND, Voltage - Supply="3 V ~ 3.6 V", Category="Integrated Circuits (ICs)", ComponentLink1Description=http://www.xilinx.com/support/documentation/data_sheets/ds123.pdf, ComponentLink1URL=http://www.xilinx.com/support/documentation/data_sheets/ds123.pdf, Manufacturer Part Number=XCF04SVOG20C, Memory Size=4Mb, Packaging=Tube, Part Status=Active, Pricing 1="1=7.21 (USD)", Programmable Type="In System Programmable", RoHS="RoHS Compliant", Stock 1=6188, Supplier 1=Digi-Key
U17: library part Xilinx/FPGA-XSP6-XC6SLX9-SQ144, "FPGA, Spartan-6 LX 1.2V, 102 User I/Os, 144-Pin TQFP (0.5mm Pitch), Speed Grade 2, Commercial Grade, Pb-Free", Supplier Part Number 1=122-1734-ND, Code_JEDEC=MS-026-BFB, DatasheetVersion="ver1.6, Nov-2010", PackageDescription="144-Pin Thin Quad Flat Pack (TQG144) - Pb-Free", PackageReference=TQG144, PackageVersion="ver1.2, Jun-2004", Supplier 1=Digi-Key
U18: library part "LT6203 SOIC-8", "OPA, 100MHz, Dual, RRIO, Single-supply, Unity Stable", Supplier Part Number 1=LT6203CS8#PBF-ND, Supplier 1=Digi-Key
U20 U29 U30: library part "LT6204 SOIC-14", "OPA, 100MHz, Quad, RRIO, Unity Stable", Supplier Part Number 1=LT6204CS#PBF-ND, Supplier 1=Digi-Key
U21 U24 U25: library part ADG1406/SSOP-28, "MUX, 16:1, Single Supply", Channel Capacitance (CS(off), CD(off))="8pF, 90pf", Current - Leakage (IS(off)) (Max)=250pA, Manufacturer="Analog Devices Inc.", Manufacturer Part Number=ADG1406BRUZ, On-State Resistance (Max)="11.5 Ohm", Operating Temperature="-40°C ~ 125°C (TA)", Package / Case="28-TSSOP (0.173\", 4.40mm Width)", Supplier Device Package=28-TSSOP, Supplier Part Number 1=ADG1406BRUZ-ND, Voltage - Supply, Dual (V±)="±4.5 V ~ 16.5 V", Voltage - Supply, Single (V+)="5 V ~ 16.5 V", -3db Bandwidth=60MHz, Category="Integrated Circuits (ICs)", Channel-to-Channel Matching (&Delta;Ron)="550 mOhm", Charge Injection=10pC, ComponentLink1Description=http://www.analog.com/media/en/technical-documentation/data-sheets/ADG1406_1407.pdf, ComponentLink1URL=http://www.analog.com/media/en/technical-documentation/data-sheets/ADG1406_1407.pdf, Crosstalk="-70dB @ 1MHz", Multiplexer/Demultiplexer Circuit=16:1, Number of Circuits=1, Packaging=Tube, Part Status=Active, Pricing 1="1=10.46, 50=9.2172, 100=8.1211, 500=7.22426, 1000=6.62639, 2500=6.37728, 5000=6.17799 (USD)", RoHS="RoHS Compliant", Stock 1=698, Supplier 1=Digi-Key, Switch Circuit=-, Switch Time (Ton, Toff) (Max)="110ns, 120ns"
U22 U23: library part "ADG1404 14-TSSOP", "MUX, 4:1, Single", Channel Capacitance (CS(off), CD(off))="23pF, 90pF", Current - Leakage (IS(off)) (Max)=550pA, Manufacturer="Analog Devices Inc.", Manufacturer Part Number=ADG1404YRUZ, On-State Resistance (Max)="1.8 Ohm", Operating Temperature="-40°C ~ 125°C (TA)", Package / Case="14-TSSOP (0.173\", 4.40mm Width)", Supplier Device Package=14-TSSOP, Supplier Part Number 1=ADG1404YRUZ-ND, Voltage - Supply, Dual (V±)="±4.5 V ~ 16.5 V", Voltage - Supply, Single (V+)="5 V ~ 16.5 V", -3db Bandwidth=55MHz, Category="Integrated Circuits (ICs)", Channel-to-Channel Matching (&Delta;Ron)="100 mOhm", Charge Injection=-20pC, ComponentLink1Description=http://www.analog.com/media/en/technical-documentation/data-sheets/ADG1404.pdf, ComponentLink1URL=http://www.analog.com/media/en/technical-documentation/data-sheets/ADG1404.pdf, Crosstalk="-82dB @ 100kHz", Multiplexer/Demultiplexer Circuit=4:1, Number of Circuits=1, Packaging=Tube, Part Status=Active, Pricing 1="1=6.98, 96=6.01625, 192=5.22385, 576=4.54885, 1056=3.96191, 2592=3.81517, 5000=3.66844 (USD)", RoHS="RoHS Compliant", Stock 1=6039, Supplier 1=Digi-Key, Switch Circuit=SP4T, Switch Time (Ton, Toff) (Max)="120ns, 135ns"
U26: library part LT/LTC1983-5, "REG, Charge Pump, Inverting, 100mA, -5V", Current - Output=100mA, Frequency - Switching=900kHz, Manufacturer="Linear Technology", Manufacturer Part Number=LTC1983ES6-5#TRMPBF, Operating Temperature="-40°C ~ 85°C (TA)", Package / Case="SOT-23-6 Thin, TSOT-23-6", Supplier Device Package=TSOT-23-6, Supplier Part Number 1=LTC1983ES6-5#TRMPBFCT-ND, Voltage - Input (Max)=5.5V, Voltage - Input (Min)=2.3V, Voltage - Output (Max)=-, Voltage - Output (Min/Fixed)=-5V, Category="Integrated Circuits (ICs)", ComponentLink1Description=http://www.linear.com/docs/2135, ComponentLink1URL=http://www.linear.com/docs/2135, Function=Step-Up/Step-Down, Mounting Type="Surface Mount", Number of Outputs=1, Output Configuration=Negative, Output Type=Fixed, Packaging="Cut Tape (CT)", Pricing 1="1=4.28, 25=3.8192, 100=3.4371 (USD)", RoHS="RoHS Compliant", Stock 1=13395, Supplier 1=Digi-Key, Synchronous Rectifier=No, Topology="Charge Pump"
U27: library part Atmel/SAMD21G18A, "Atmel D21 32bit ARM Cortex-M0  microcontroller - 48 PIN TQFP 256KB flash memory + 32KB SRAM", Manufacturer=Atmel, Manufacturer Part Number=ATSAMD21G18A-AUT, Operating Temperature="-40°C ~ 85°C (TA)", Package / Case=48-TQFP, Supplier Device Package="48-TQFP (7x7)", Supplier Part Number 1=ATSAMD21G18A-AUTCT-ND, Voltage - Supply (Vcc/Vdd)="1.62 V ~ 3.6 V", Category="Integrated Circuits (ICs)", ComponentLink1Description=http://www.atmel.com/Images/Atmel-42181-SAM-D21_Summary.pdf, ComponentLink1URL=http://www.atmel.com/Images/Atmel-42181-SAM-D21_Summary.pdf, Connectivity="I²C, LIN, SPI, UART/USART", Core Processor="ARM® Cortex®-M0+", Core Size=32-Bit, Data Converters="A/D 14x12b, D/A 1x10b", EEPROM Size=-, Number of I/O=38, Oscillator Type=Internal, Packaging="Cut Tape (CT)", Peripherals="Brown-out Detect/Reset, DMA, I²S, POR, PWM, WDT", Pricing 1="1=5.68, 10=5.073, 25=4.5656, 100=4.1599, 250=3.75404, 500=3.36848, 1000=2.84088 (USD)", Program Memory Size="256KB (256K x 8)", Program Memory Type=FLASH, RAM Size="32K x 8", RoHS="RoHS Compliant", Speed=48MHz, Stock 1=1467, Supplier 1=Digi-Key
U28: library part Littelfuse/SP3051-04HTG, "TVS, 6VWM, 16VC", Capacitance @ Frequency=-, Current - Peak Pulse (10/1000µs)="20A (8/20µs)", Manufacturer="Littelfuse Inc.", Manufacturer Part Number=SP3051-04HTG, Operating Temperature="-40°C ~ 125°C (TJ)", Package / Case=SOT-23-6, Power - Peak Pulse=400W, Power Line Protection=Yes, Supplier Part Number 1=F6279CT-ND, Voltage - Breakdown (Min)="8V (Typ)", Voltage - Clamping (Max) @ Ipp=17V, Voltage - Reverse Standoff (Typ)="6V (Max)", Applications=Ethernet, Bidirectional Channels=4, Category="Circuit Protection", ComponentLink1Description=http://www.littelfuse.com/~/media/electronics/datasheets/tvs_diode_arrays/littelfuse_tvs_diode_array_sp3051_datasheet.pdf.pdf, ComponentLink1URL=http://www.littelfuse.com/~/media/electronics/datasheets/tvs_diode_arrays/littelfuse_tvs_diode_array_sp3051_datasheet.pdf.pdf, Mounting Type="Surface Mount", Packaging="Cut Tape (CT)", Pricing 1="1=1.05, 10=0.925, 25=0.8352, 100=0.7308, 250=0.64092, 500=0.5684, 1000=0.4495 (USD)", RoHS="RoHS Compliant", Stock 1=7453, Supplier 1=Digi-Key, Supplier 2=Newark, Supplier Device Package=SOT-23-6, Supplier Part Number 2=88W3903, Type="Steering (Rail to Rail)", Unidirectional Channels=-
U31: "LDO, Neg -2.5V, 200mA", Current - Limit (Min)=300mA, Current - Output=200mA, Manufacturer="Texas Instruments", Operating Temperature="-40°C ~ 125°C", Package / Case="SC-74A, SOT-753", Supplier Device Package=SOT-23-5, Supplier Part Number 1=296-39479-1-ND, Voltage - Dropout (Typical)="0.28V @ 200mA", Voltage - Input="-2.7 V ~ -10 V", Voltage - Output=-2.5V, Category="Integrated Circuits (ICs)", ComponentLink1Description=http://www.ti.com/lit/ds/symlink/tps723.pdf, ComponentLink1URL=http://www.ti.com/lit/ds/symlink/tps723.pdf, Manufacturer Part Number=TPS72325DBVR, Mounting Type="Surface Mount", Number of Regulators=1, Packaging="Cut Tape (CT)", Part Status=Active, Pricing 1="1=2.87, 10=2.58, 100=2.0696, 500=1.701, 1000=1.18125 (USD)", Regulator Topology="Negative Fixed", RoHS="RoHS Compliant", Stock 1=2132, Supplier 1=Digi-Key
X1: "XTAL, 40MHz, CMOS", Current - Supply (Disable) (Max)=10µA, Current - Supply (Max)=25mA, Frequency=40MHz, Frequency Stability=±20ppm, Manufacturer="Abracon LLC", Operating Temperature="-20°C ~ 70°C", Package / Case="4-SMD, No Lead (DFN, LCC)", Ratings=-, Supplier Part Number 1=535-9327-1-ND, Voltage - Supply=3.3V, Category="Crystals and Oscillators", ComponentLink1Description=http://www.abracon.com/Oscillators/ASV.pdf, ComponentLink1URL=http://www.abracon.com/Oscillators/ASV.pdf, Function=Enable/Disable, Height="0.071\" (1.80mm)", Manufacturer Part Number=ASV-40.000MHZ-EJ-T, Mounting Type="Surface Mount", Output=HCMOS, Packaging="Cut Tape (CT)", Part Status=Active, Pricing 1="1=1.34, 10=1.186, 50=1.1074, 100=0.98, 500=0.9261 (USD)", RoHS="RoHS Compliant", Size / Dimension="0.276\" L x 0.200\" W (7.00mm x 5.08mm)", Stock 1=8558, Supplier 1=Digi-Key, Type="XO (Standard)"
Y1: library part Abracon/ABS07-32.768KHZ-T, "XTAL, 32.768 kHz, 12.5pF, SMD", ESR (Equivalent Series Resistance)="70 kOhm", Frequency=32.768kHz, Frequency Stability=-, Frequency Tolerance=±20ppm, Load Capacitance=12.5pF, Manufacturer="Abracon LLC", Manufacturer Part Number=ABS07-32.768KHZ-T, Operating Mode=Fundamental, Operating Temperature="-40°C ~ 85°C", Package / Case="2-SMD, No Lead", Supplier Part Number 1=535-9542-1-ND, Category="Crystals and Oscillators", ComponentLink1Description=http://www.abracon.com/Resonators/ABS07.pdf, ComponentLink1URL=http://www.abracon.com/Resonators/ABS07.pdf, Height="0.035\" (0.90mm)", Mounting Type="Surface Mount", Packaging="Cut Tape (CT)", Pricing 1="1=0.51, 10=0.448, 50=0.4182, 100=0.37, 500=0.34964, 1000=0.2923 (USD)", Ratings=-, RoHS="RoHS Compliant", Size / Dimension="0.126\" L x 0.061\" W (3.20mm x 1.50mm)", Stock 1=889970, Supplier 1=Digi-Key, Type="kHz Crystal (Tuning Fork)"

## Via types
v1: diameter 24, hole 11.81, Top Layer to Bottom Layer, tented both sides, 654 vias
v2: diameter 25, hole 10, Top Layer to Bottom Layer, tented both sides, 13 vias
